# KiCad board chastity.kicad_pcb (continued)
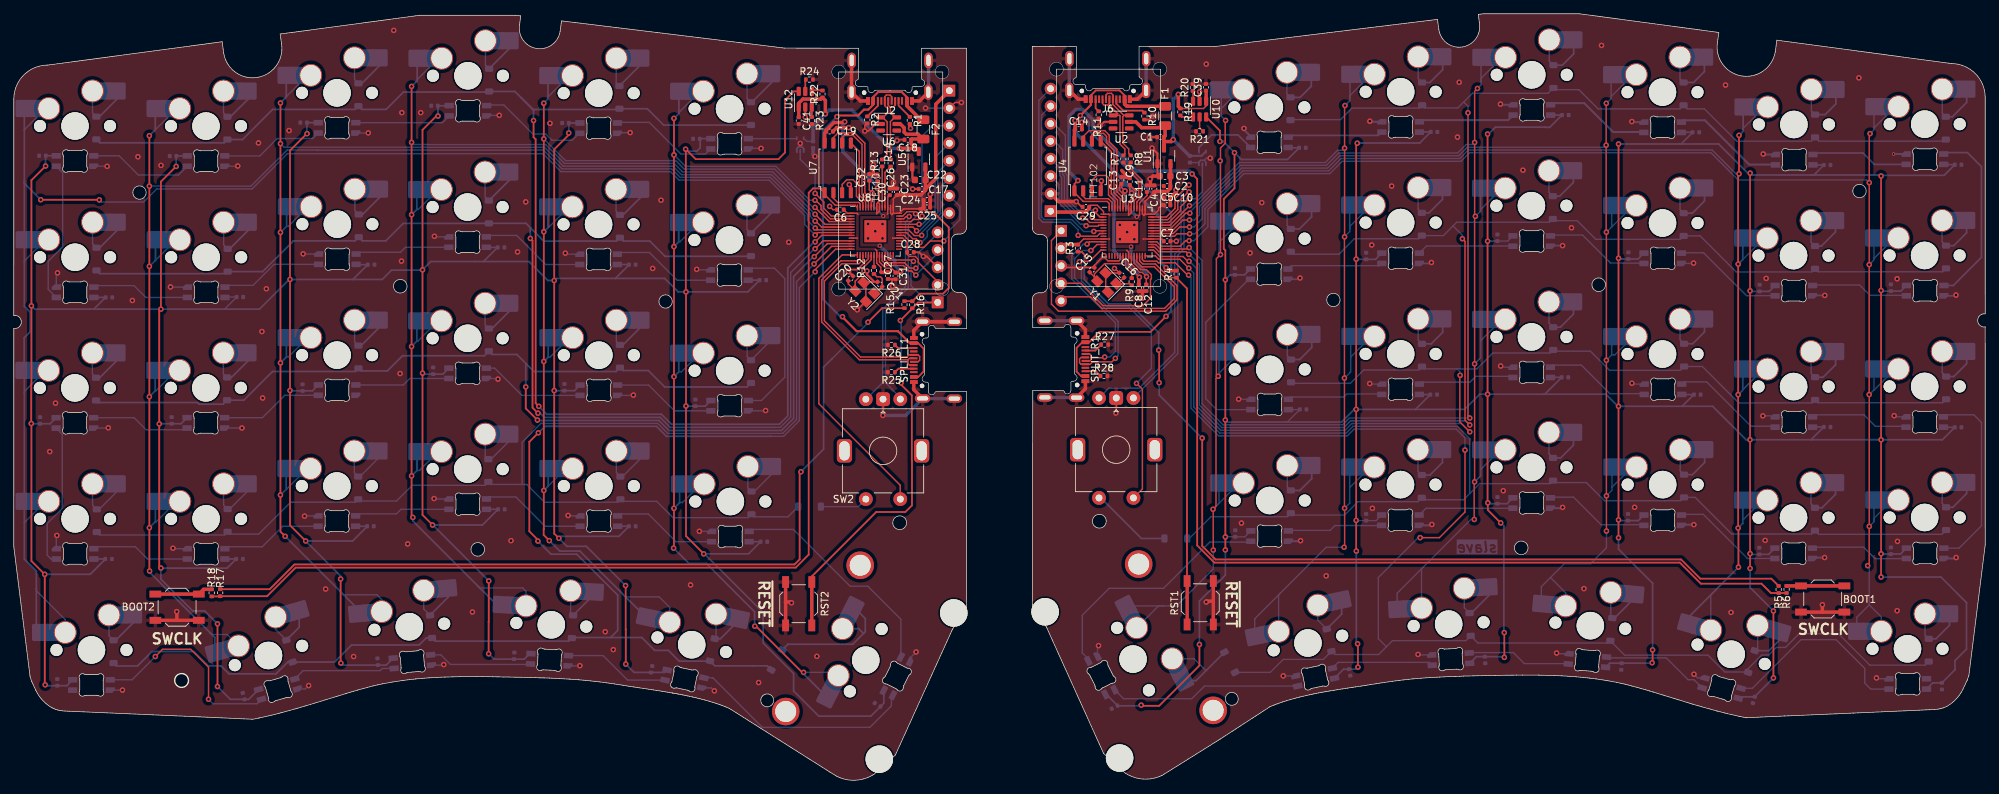
[diagram p0: board, top side]
## Routing (per net, layer and track width the routed paths; a pad name or vN(x,y) marks a point on that pad's centre or on a via; arc(x,y) is an arc through that point) (continued)
col 3_L: length 193.7
  Top w0.2: v1(116.29,82.11) 117.75,80.65 U8.5
  Top w0.25: v1(57.92,38.13) 57.73,38.32 v1(57.73,44.15) v1(57.73,62.93) v1(57.73,82.05) v1(57.73,92.54) v1(57.73,100.66)
  Bottom w0.2: MX45.1 61.59,66.66 58.63,63.7 58.5,63.7 ; MX33.1 61.63,104.74 58.55,101.66 58.55,101.65 ; v1(116.29,82.11) 110.14,88.26 97.04,88.26 95.81,89.49 79.91,89.49 77.18,92.22 59.98,92.22 59.96,92.24 58.03,92.24 v1(57.73,92.54) ; MX39.1 61.59,85.69 58.71,82.82 58.5,82.82 ; 58.51,44.94 58.86,44.94 61.6,47.68 MX51.1 ; 67.42,28.11 67.62,27.9 73.86,27.9 74.33,27.43 MX57.1
  Bottom w0.25: 70.05,25.48 57.92,37.61 v1(57.92,38.13) ; v1(57.73,62.93) 58.5,63.7 MX45.1 ; v1(57.73,82.05) 58.5,82.82 MX39.1 ; v1(57.73,100.66) 58.55,101.48 MX33.1 ; v1(57.73,44.15) 58.51,44.94 MX51.1
col 4: length 180.4
  Top w0.2: 211.99,60.4 211.99,81.69 v1(212.11,81.81) 212,81.92 v1(212,92.53) 212,99.95 v1(212.41,100.36) ; v1(211.99,60.41) v1(211.99,43.29) 211.94,43.23 211.94,37.85 v1(211.95,37.84) ; v1(170.61,81.27) 169.66,81.27 168.11,79.72 U3.36
  Bottom w0.2: v1(211.99,43.29) 212.89,44.18 212.89,45.1 ; 212.93,101.45 212.93,100.88 v1(212.41,100.36) ; 212.93,101.45 MX4.1 ; 212.93,101.45 212.93,101.82 215.99,104.88 MX4.1 ; v1(212.11,81.81) 212.88,82.58 212.88,82.85 ; MX22.1 215.72,47.93 212.89,45.1 ; v1(211.95,37.84) 211.45,37.84 204.52,30.9 ; 212.89,63.7 212.89,63.78 215.98,66.86 MX16.1 ; 212.89,63.7 212.89,61.3 v1(211.99,60.41) ; 212.89,63.7 MX16.1 ; MX10.1 215.97,85.89 212.93,82.85 212.88,82.85 ; 212.89,45.1 MX22.1 ; MX28.1 200.75,27.13 204.52,30.9 ; 204.52,30.9 204.29,30.68 MX28.1 ; v1(212,92.53) 211.7,92.23 210.76,92.23 209.52,91 192.28,91 190.49,89.21 178.02,89.21 172.06,83.25 172.06,82.02 171.32,81.27 v1(170.61,81.27) ; 212.88,82.85 MX10.1
col 4_L: length 210
  Top w0.2: U8.6 117.22,80.25 116.37,81.11 v1(116.3,81.11)
  Top w0.25: v1(39.39,35.39) 38.7,36.07 v1(38.7,41.38) v1(38.7,60.55) v1(38.7,79.47) v1(38.7,92.36) v1(38.7,98.26)
  Bottom w0.2: 47.42,27.36 47.87,26.9 52.71,26.9 53.38,26.23 MX58.1 ; v1(116.3,81.11) 116.3,81.11 115.59,81.82 115.59,82.24 114.39,83.44 114.39,83.44 109.97,87.86 96.87,87.86 95.64,89.09 79.74,89.09 77.01,91.82 59.81,91.82 59.8,91.84 39.22,91.84 v1(38.7,92.36) ; 39.52,42.21 39.56,42.21 42.59,45.23 MX52.1 ; 43.1,102.26 42.63,102.26 39.62,99.25 39.55,99.25 ; 43.15,83.21 42.68,83.21 39.84,80.37 39.6,80.37 ; 39.56,61.41 39.84,61.41 42.65,64.21 MX46.1
  Bottom w0.25: v1(38.7,79.47) 39.6,80.37 39.6,83.21 ; v1(38.7,60.55) 39.56,61.41 MX46.1 ; MX52.1 39.52,42.21 v1(38.7,41.38) ; 49.85,24.93 v1(39.39,35.39) ; v1(38.7,98.26) 39.55,99.1 39.55,102.26
col 5: length 164.8
  Top w0.2: v1(193.06,33.8) 193.13,33.88 193.13,39.45 v1(193.13,39.46) 193.11,39.48 v1(193.11,58.35) 193.11,78.82 v1(193.13,78.84) v1(193.13,91.69) 193.13,97.83 v1(193.19,97.89) ; v1(170.66,82.27) 170.09,82.27 167.94,80.12 U3.37
  Bottom w0.2: 193.89,80.05 193.89,83.32 ; 193.89,80.05 193.89,80.34 196.99,83.44 MX11.1 ; 193.89,80.05 193.89,79.6 v1(193.13,78.84) ; 193.91,99 MX5.1 ; 193.91,99 193.91,99.33 197,102.42 MX5.1 ; 193.91,99 193.91,98.61 v1(193.19,97.89) ; MX23.1 196.86,45.43 193.88,42.45 ; v1(193.06,33.8) 190.46,33.8 183.81,27.15 ; 183.81,27.15 183.56,26.9 MX29.1 ; 183.81,27.15 180.08,23.42 MX29.1 ; 193.88,42.45 193.88,40.22 v1(193.13,39.46) ; 193.88,42.45 MX23.1 ; MX17.1 196.99,64.39 194.01,61.41 194.01,61.25 ; 194.01,64.29 194.01,61.25 ; 194.01,61.25 194.01,59.25 v1(193.11,58.35) ; v1(193.13,91.69) 192.83,91.4 192.11,91.4 190.32,89.61 177.85,89.61 170.66,82.42 v1(170.66,82.27)
col 5_L: length 229.2
  Top w0.2: U8.7 116.57,79.85 v1(116.32,80.11)
  Top w0.25: v1(19.71,30.35) 19.68,30.38 19.68,36.63 v1(19.68,36.63) v1(19.68,55.64) v1(19.68,74.55) v1(19.68,86.19) v1(19.68,93.51)
  Bottom w0.2: 20.51,56.47 20.6,56.47 23.6,59.47 24.06,59.47 ; MX35.1 23.62,97.44 20.55,94.37 20.54,94.37 ; 20.56,75.43 23.54,78.41 MX41.1 ; v1(116.32,80.11) 116.31,80.11 115.19,81.22 115.19,82.08 114.23,83.04 114.22,83.04 109.8,87.46 96.7,87.46 95.47,88.69 79.58,88.69 76.85,91.42 44.08,91.42 44.06,91.44 39.67,91.44 34.42,86.19 v1(19.68,86.19) ; MX59.1 30.94,21.15 28.74,21.15 28.52,21.37 ; 20.54,37.5 20.67,37.5 23.63,40.47 24.09,40.47
  Bottom w0.25: 20.54,40.47 20.54,37.5 v1(19.68,36.63) ; v1(19.68,93.51) 20.54,94.37 MX35.1 ; v1(19.68,74.55) 20.56,75.43 MX41.1 ; v1(19.71,30.35) 19.71,30.18 29.19,20.7 MX59.1 ; v1(19.68,55.64) 20.51,56.47 20.51,59.47
col 6: length 137.8
  Top w0.2: v1(175.86,95.73) 175.81,95.68 175.81,92.41 175.12,91.72 v1(175.12,76.26) 174.52,75.66 174.52,58.89 v1(174.79,58.62) 174.46,58.29 174.46,39.74 v1(174.04,39.31) 174.07,39.28 v1(174.07,33.4) ; U3.38 167.78,80.52 169.72,82.46 169.72,82.46 v1(170.62,83.36)
  Bottom w0.2: v1(175.07,89.86) 175.07,87.39 171.04,83.36 v1(170.62,83.36) ; 175.24,97.45 175.24,99.78 ; 175.24,97.45 175.24,96.35 v1(175.86,95.73) ; 175.24,97.45 175.24,97.46 177.94,100.16 MX6.1 ; 166.86,25.29 166.12,25.29 MX30.1 ; 166.86,25.29 168.71,25.29 174.07,30.66 v1(174.07,33.4) ; 166.86,25.29 MX30.1 ; MX24.1 177.85,43.12 174.62,39.89 ; MX18.1 178,62.14 174.91,59.06 174.91,59 ; 174.62,39.89 174.91,40.19 174.91,43.12 ; 174.62,39.89 v1(174.04,39.31) ; MX12.1 177.98,81.11 174.89,78.03 174.89,78 ; 174.91,62.14 174.91,58.74 v1(174.79,58.62) ; 174.89,78 MX12.1 ; 174.89,78 174.89,76.49 v1(175.12,76.26)
col 6_L: length 234.8
  Top w0.2: U8.8 116.64,79.45 v1(116.29,79.11)
  Top w0.25: v1(3.91,84.22) 12.39,84.22 v1(12.41,84.19)
  Bottom w0.2: 1.54,94.25 1.54,94.38 4.61,97.45 MX36.1 ; 1.54,75.1 1.54,75.33 4.62,78.41 MX42.1 ; v1(12.41,84.19) 12.72,83.88 18.84,83.88 20.75,85.79 34.59,85.79 39.69,90.89 76.81,90.89 79.41,88.29 95.31,88.29 96.54,87.06 109.64,87.06 114.79,81.91 114.79,80.61 v1(116.29,79.11) ; 1.53,56.2 1.53,56.41 4.59,59.46 MX48.1 ; 1.53,37.35 1.53,37.38 4.62,40.47 5.08,40.47 ; 3.27,27.8 3.27,27.49 7.46,23.3 MX60.1
  Bottom w0.25: v1(3.91,84.22) 1.54,86.59 1.54,86.89 ; MX48.1 1.5,64.19 2.37,65.06 2.37,67.93 1.54,68.77 MX42.1 1.54,86.89 ; 1.54,86.89 1.54,97.44 ; 1.53,59.43 1.53,32.08 3.27,30.34 3.27,22.09
cs: length 16
  Top w0.2: U3.3 156.87,81.32 v1(156.51,81.68)
  Bottom w0.2: 151,92.71 152.21,91.5 152.21,87.88 152.47,87.62 152.47,84.12 154.29,82.3 155.89,82.3 v1(156.51,81.68)
cs_L: length 15.2
  Top w0.2: v1(131.01,79.72) 130.48,80.25 U8.37
  Bottom w0.2: J3.5 134.1,88.21 134.1,82.36 131.46,79.72 v1(131.01,79.72)
CURR_LIM: length 2.3
  Top w0.2: U10.5 172.09,94.65 R21.1
CURR_LIM_L: length 1.8
  Top w0.25: U12.5 114.86,101.56 R24.1
D+: length 11.9
  Top w0.2: J6.B6 158,98.18 158.23,97.95 158.78,97.95 ; 159.97,96.46 160.2,96.7 158.94,97.95 158.78,97.95 ; R7.2 161.25,90.89 161.25,91.57 160.54,92.28 160.54,96.38 160.45,96.46 U2.1 ; J6.A6 159,98.18 158.78,97.95
D-: length 13.3
  Top w0.2: J6.A7 158.5,99.42 158.73,99.65 159.28,99.65 159.5,99.42 J6.B7 159.5,98.04 161.08,96.46 U2.6 161.15,96.46 160.94,96.25 160.94,92.44 161.79,91.59 161.79,90.97 R8.2
D_Split_L+: length 31
  Top w0.2: SPLIT_L1.A6 131.23,60.71 131.46,60.94 131.46,61.49 131.23,61.71 SPLIT_L1.B6 129.92,61.71 129.61,61.4 122.88,61.4 117.64,66.65 117.64,72.41 120.16,74.93 122.65,74.93 123.23,75.51 U8.17
D_Split_L-: length 30.7
  Top w0.2: 129.76,60.99 129.98,61.21 SPLIT_L1.A7 ; 129.76,60.99 129.76,60.44 129.98,60.21 SPLIT_L1.B7 ; 129.76,60.99 129.74,61 122.72,61 117.24,66.48 117.24,72.58 120.01,75.35 122.5,75.35 122.83,75.68 U8.16
D_Split_R+: length 29.4
  Top w0.2: v1(159.86,61.2) 159.36,60.7 156.56,60.7 156.2,60.34 SPLIT_R1.B6 154.89,60.34 154.66,60.57 154.66,61.12 154.89,61.34 SPLIT_R1.A6 ; U3.12 157.21,77.72 156.34,76.85 v1(156.32,76.85)
  Bottom w0.2: v1(159.86,61.2) 160.26,61.6 160.26,66.55 153.94,72.87 153.94,75.64 155.15,76.85 v1(156.32,76.85)
D_Split_R-: length 28.3
  Top w0.2: 156.36,61.3 156.36,61.62 156.14,61.84 SPLIT_R1.B7 ; 156.36,61.3 156.36,61.07 156.14,60.84 SPLIT_R1.A7 ; 156.36,61.3 158.21,61.3 v1(158.31,61.4) ; U3.11 156.1,78.12 v1(155.76,77.78)
  Bottom w0.2: v1(158.31,61.4) 159.06,61.4 159.86,62.2 159.86,66.39 153.54,72.71 153.54,76.09 155.24,77.78 v1(155.76,77.78)
dc: length 18.3
  Top w0.2: v1(156.97,82.7) 156.97,82.36 157.4,81.93 157.4,81.93 157.61,81.72 U3.2
  Bottom w0.2: v1(156.97,82.7) 154.45,82.7 152.87,84.29 152.87,87.79 152.61,88.04 152.61,93.57 150.93,95.25
dc_L: length 13.6
  Top w0.2: v1(131.75,79.05) 131.72,79.02 130.69,79.02 129.85,79.85 U8.36
  Bottom w0.2: J3.6 134.5,86.07 134.5,82.19 131.75,79.44 v1(131.75,79.05)
DIN: length 12.3
  Top w0.2: v1(155.62,80.44) 155.69,80.38 157.32,80.38 157.46,80.52 U3.5
  Bottom w0.2: J1.3 151.67,86.43 151.67,83.79 154.79,80.67 155.4,80.67 v1(155.62,80.44)
DIN_L: length 19.9
  Top w0.2: U8.39 130.22,81.05 130.53,81.35 131.33,81.35 v1(131.81,81.84)
  Bottom w0.2: J3.3 133.33,94.96 131.82,93.45 131.82,82.59 131.81,82.59 v1(131.81,81.84)
DL+: length 11.9
  Top w0.2: J2.A6 127.4,99.17 127.18,99.4 126.63,99.4 126.4,99.17 J2.B6 126.4,97.86 126.81,97.45 126.81,96.8 126.17,96.16 ; R13.2 126.75,90.8 126.75,95.51 126.1,96.16
DL-: length 10.6
  Top w0.2: 127.21,90.09 127.21,95.55 127.83,96.16 ; J2.B7 127.9,97.93 127.68,97.7 127.13,97.7 ; J2.A7 126.9,97.93 127.13,97.7 ; 127.13,97.7 127.21,97.62 127.21,96.85 127.91,96.16
LED_Data_3V3: length 13.6
  Top w0.2: v1(170.56,84.36) 170.49,84.36 169.32,83.19 169.32,82.62 167.61,80.92 U3.39
  Bottom w0.2: U9.2 172.5,85.38 171.47,84.35 170.57,84.35 v1(170.56,84.36)
LED_Data_3V3_L: length 14.2
  Top w0.2: U8.2 118.67,81.85 117.55,82.97 117.55,83.88 v1(116.29,85.14)
  Bottom w0.2: v1(116.29,85.14) 116.29,87.92 114.13,90.08 U11.2
LED_Data_5V: length 9.5
  Bottom w0.25: 179.42,91.86 177.66,93.62 173.81,93.62 172,91.8 U9.4
LED_Data_5V_L: length 7
  Bottom w0.2: U11.4 113.58,93.08 LED1.3
LED_Pow_5V: length 800.8
  Top w0.25: v1(216.31,17.83) 216.31,19.8 216.3,19.81 v1(216.3,21.43) ; v1(213.88,93.74) v1(213.88,78.2) v1(213.88,56) 213.88,40.29 v1(213.91,40.25) 213.91,39.21 v1(215.78,37.34) ; v1(237.83,18.91) 237.83,17.12 v1(237.76,17.05) ; v1(194.97,92.42) 194.81,92.26 v1(194.81,75.6) v1(194.81,53.8) v1(194.81,37.7) 194.81,33.28 v1(194.83,33.25) ; v1(195.06,16.4) 195.06,19.75 v1(195.01,19.8) ; v1(255.36,14.85) v1(255.36,24.55) ; v1(175.04,92.68) 175.04,94.22 U10.6 ; v1(163.61,10.9) 163.71,10.8 166.21,10.8 172.06,16.65 v1(172.06,19.7) ; v1(270.98,29.48) 270.99,29.48 v1(270.99,49.4) v1(270.99,71.05) v1(270.99,87.66) ; v1(177.15,91.05) 177.15,85.9 175.6,84.34 175.6,77.11 175.82,76.89 v1(175.82,72.6) v1(175.82,52.27) 175.83,52.26 v1(175.83,33.42) ; v1(251.98,30.74) v1(251.98,32.88) 251.98,49.39 v1(251.96,49.4) 251.98,49.42 v1(251.98,71) 251.98,88.07 v1(251.99,88.08) ; v1(232.88,35.19) v1(232.88,37.77) v1(232.88,54.25) v1(232.88,75.72) v1(232.88,92.31)
  Bottom w0.2: v1(175.83,35.3) 175.85,35.32 C149.2 178.66,35.32 LED49.1 ; LED43.1 186.6,53.77 C143.2 186.63,53.79 184.81,51.97 ; C139.2 216.8,78.22 LED39.1 ; 194.84,37.67 C150.2 197.7,37.67 LED50.1
  Bottom w0.25: 242.11,54.25 246.54,54.25 251.39,49.4 v1(251.96,49.4) 260.81,49.4 ; 242.11,54.25 243.81,55.95 C146.2 242.09,55.95 LED46.1 ; 242.11,54.25 v1(232.88,54.25) 232.79,54.25 231.04,56 221.96,56 ; LED37.1 178.61,73.32 C137.2 176.54,73.32 v1(175.82,72.6) ; LED36.1 280.12,89.3 C136.2 280.13,87.75 271.08,87.75 v1(270.99,87.66) 270.84,87.8 260.76,87.8 ; v1(251.98,71) 252.05,70.92 C141.2 254.75,70.92 LED41.1 ; v1(213.91,40.25) 214.04,40.12 C151.2 216.7,40.12 LED51.1 ; 221.96,56 v1(213.88,56) 212.74,56 210.54,53.8 203.41,53.8 ; 221.96,56 222.18,56 C145.2 223.03,58.45 LED45.1 ; 215.27,78.22 213.9,78.22 v1(213.88,78.2) ; v1(216.31,17.83) 216.21,17.93 C157.2 212.25,17.93 LED57.1 ; 203.41,53.8 v1(194.81,53.8) 194.51,53.8 192.68,51.97 176.12,51.97 v1(175.82,52.27) ; 203.41,53.8 205.56,55.95 ; LED53.1 254.66,32.77 C153.2 252.08,32.77 v1(251.98,32.88) ; v1(251.98,30.74) 251.98,27.96 255.36,24.57 v1(255.36,24.55) ; v1(213.88,93.74) 214.01,93.74 215.02,94.75 222.21,94.75 222.24,94.72 222.9,94.72 C133.2 223.03,96.5 LED33.1 ; LED42.1 273.85,70.97 C142.2 271.06,70.97 v1(270.99,71.05) ; LED56.1 192.97,16.1 193.75,16.1 C156.2 194.78,16.12 v1(195.06,16.4) ; v1(194.83,33.25) 194.83,19.98 v1(195.01,19.8) ; v1(232.88,35.19) 232.88,33.53 237.83,28.58 v1(237.83,18.91) ; LED60.1 278.48,14.13 C160.2 281.71,16.03 281.71,17.36 283.38,19.03 283.38,25.77 279.67,29.48 v1(270.98,29.48) ; v1(232.88,92.31) 241.81,92.31 ; v1(216.3,21.43) 216.24,21.49 216.24,36.88 v1(215.78,37.34) ; LED44.1 204,55.95 C144.2 ; C154.2 273.8,32.82 LED54.1 ; v1(237.76,17.05) 237.69,16.98 C158.2 231.6,16.98 LED58.1 ; v1(255.36,14.85) 252.64,12.14 C159.2 250.46,12.11 LED59.1 ; 260.81,49.4 262.66,51.25 C147.2 261.08,51.25 LED47.1 ; 260.81,49.4 v1(270.99,49.4) 279.88,49.4 C148.2 280.07,51.2 LED48.1 ; 241.81,92.31 241.97,92.31 243.63,93.97 C134.2 242.02,94 LED34.1 ; 241.81,92.31 247.41,92.31 251.64,88.08 v1(251.99,88.08) 252.26,87.8 261.23,87.8 C135.2 261.12,89.25 LED35.1 ; LED52.1 235.76,37.67 C152.2 232.98,37.67 v1(232.88,37.77) ; LED38.1 197.62,75.57 C138.2 194.84,75.57 v1(194.81,75.6) ; v1(175.04,92.68) 175.53,92.68 v1(177.15,91.05) 178.15,90.06 184.84,90.06 C131.2 184.98,91.75 LED31.1 ; LED40.1 235.71,75.62 C140.2 232.98,75.62 v1(232.88,75.72) ; v1(194.97,92.42) 194.99,92.44 204.02,92.44 C132.2 204.01,94.05 LED32.1 ; v1(172.06,19.7) 172.06,26 175.83,29.77 v1(175.83,33.42) ; LED55.1 158.55,12.46 C155.2 160.21,10.8 163.51,10.8 v1(163.61,10.9)
  Bottom w0.3: v1(270.99,32.85) 271.03,32.8 272.39,32.8 C154.2
LED_Pow_5V_L: length 819.7
  Top w0.25: v1(60.77,37.04) 59.32,38.49 v1(59.32,59.05) v1(59.32,74.05) 59.32,94.36 61.31,96.35 v1(61.56,96.35) ; v1(68.91,18.35) 68.91,22.96 68.93,22.98 v1(68.93,28.92) ; v1(21.35,30.79) 21.11,31.03 v1(21.11,51.7) 21.11,68.11 v1(21.35,68.35) 21.35,86.84 v1(23.56,89.05) ; v1(42.56,93.8) 42.53,93.8 40.09,91.37 v1(40.09,72.65) v1(40.09,56.54) 40.09,36.98 v1(42.36,34.72) ; v1(100.12,32.85) 97.55,35.42 v1(97.55,54.29) v1(97.55,70.85) 97.53,70.87 97.53,91.52 v1(97.49,91.55) 97.51,91.55 98.96,90.1 110.96,90.1 111.92,91.06 111.92,98.66 113.19,99.93 U12.6 ; v1(88.81,16.85) 88.81,21.86 88.8,21.87 88.8,28.23 v1(88.78,28.25) ; v1(4.56,13.85) 4.49,13.92 v1(4.49,29.88) 2.56,31.81 2.56,51.73 v1(2.53,51.75) 2.53,57.44 2.56,57.47 v1(2.56,68.83) 2.56,87.05 v1(4.61,89.1) ; v1(47.43,29.2) 47.43,17.03 v1(47.46,17) ; v1(79.1,35.1) 78.43,35.78 v1(78.43,56.53) v1(78.43,72.5) 78.43,91.52 80.54,93.63 v1(80.54,93.9) ; v1(29.56,22.7) v1(29.56,13.6)
  Bottom w0.2: LED11.1 30.7,70.1 C108.2 32.33,70.07 30.61,68.35 30.61,68.35
  Bottom w0.25: 68.16,75.25 60.52,75.25 v1(59.32,74.05) 59.27,74 54.81,74 53.46,72.65 49.21,72.65 ; 68.16,75.25 70.21,77.3 C110.2 68.6,77.3 LED9.1 ; 68.16,75.25 74.76,75.25 77.51,72.5 v1(78.43,72.5) 78.73,72.8 87.31,72.8 ; 87.31,72.8 89.28,74.77 C111.2 89.27,74.82 LED8.1 ; 87.31,72.8 94.46,72.8 96.41,70.85 v1(97.55,70.85) 106.53,70.85 C112.2 106.59,72.55 LED7.1 ; LED22.1 49.61,36.85 C121.2 51.28,36.82 49.17,34.72 v1(42.36,34.72) 47.43,29.64 v1(47.43,29.2) ; v1(4.61,89.1) 4.61,90.57 C101.2 6.14,90.6 LED6.1 ; LED20.1 87.64,36.85 C123.2 87.82,35.39 79.39,35.39 v1(79.1,35.1) 80.27,33.93 83.1,33.93 v1(88.78,28.25) ; v1(23.56,89.05) 23.56,90.52 23.61,90.57 LED5.1 ; v1(78.43,56.53) 78.44,56.52 C117.2 81.37,56.52 LED14.1 ; v1(40.09,56.54) 40.13,56.5 41.88,56.5 ; LED30.1 7.69,13.72 C125.2 4.69,13.72 v1(4.56,13.85) ; v1(29.56,13.6) 31.42,11.74 C126.2 34.09,11.74 LED29.1 ; v1(80.54,93.9) C105.2 80.54,95.35 LED2.1 ; 92.49,15.65 94.47,15.65 LED26.1 ; LED27.1 74.88,18.38 74.08,17.57 C128.2 69.69,17.57 v1(68.91,18.35) ; v1(29.56,22.7) 27.7,24.56 25.96,24.56 21.35,29.17 v1(21.35,30.79) 21.38,30.76 22.21,30.76 22.22,30.77 30.95,30.77 C120.2 30.64,32.1 LED23.1 ; LED19.1 106.73,34.6 C124.2 106.63,32.85 v1(100.12,32.85) 100.22,32.85 108.75,24.32 108.75,19.9 113.17,15.49 113.17,12.95 116.82,9.3 124.37,9.3 C130.2 126.26,11.19 LED25.1 ; LED16.1 43.35,56.5 41.94,56.5 ; v1(88.81,16.85) 90.01,15.65 92.45,15.65 ; LED12.1 11.63,70.05 C107.2 13.31,70.05 11.61,68.35 ; C127.2 52.83,16.7 47.76,16.7 v1(47.46,17) ; v1(4.49,29.88) 11.08,29.88 13.28,32.07 ; LED3.1 63.16,97.85 C104.2 61.56,97.83 v1(61.56,96.35) ; LED15.1 62.27,58.92 C116.2 59.45,58.92 v1(59.32,59.05) ; LED10.1 49.72,74.8 C109.2 51.36,74.8 49.21,72.65 ; LED1.1 99.62,93.08 99.59,93.05 ; v1(2.53,51.75) 2.56,51.72 C113.2 5.27,51.72 LED18.1 ; LED4.1 42.55,95.39 42.54,95.38 42.54,93.82 v1(42.56,93.8) ; 99.59,93.05 99.61,93.03 99.61,91.75 99.14,91.28 97.77,91.28 v1(97.49,91.55) ; 99.59,93.05 99.64,93.1 ; 52.88,16.7 54.05,16.7 LED28.1 ; v1(68.93,28.92) 60.81,37.04 v1(60.77,37.04) 68.01,37.04 C122.2 68.6,39.3 LED21.1 ; v1(2.56,68.83) 3.03,68.35 21.34,68.35 v1(21.35,68.35) 35.65,68.35 39.96,72.65 v1(40.09,72.65) 49.21,72.65 ; LED13.1 100.34,54.27 C118.2 97.57,54.27 v1(97.55,54.29) ; C119.2 11.63,32.1 LED24.1 ; v1(21.11,51.7) 21.13,51.72 C114.2 24.27,51.72 LED17.1
Q_CLK: length 14.6
  Top w0.2: U3.52 160.58,84.34 159.67,85.24 159.67,91.37 158.58,92.46 158.58,93.41 158.15,93.85 156.7,93.85 156.46,93.61 U4.6
Q_CLK_L: length 13.9
  Top w0.2: U7.6 120.21,93.24 120.52,93.54 121.81,93.54 123.1,92.26 123.1,85.04 124.03,84.12 U8.52
Q_IO0: length 10.8
  Top w0.2: U3.53 160.18,84.17 159.27,85.08 159.27,91.2 157.75,92.72
Q_IO0_L: length 10.2
  Top w0.2: U8.53 123.63,83.95 122.7,84.88 122.7,91.22 U7.5
Q_IO1: length 6.2
  Top w0.2: U4.2 155.19,84.71 155.53,84.37 158.84,84.37 159.38,83.84 U3.55
Q_IO1_L: length 5.6
  Top w0.2: U8.55 122.83,83.62 122.62,83.83 119.56,83.83 118.94,84.44 U7.2
Q_IO2: length 9.2
  Top w0.2: U4.3 156.46,87.05 157.16,87.74 158.51,87.74 158.87,87.38 158.87,84.91 159.78,84 U3.54
Q_IO2_L: length 7.7
  Top w0.2: U7.3 120.21,86.44 120.89,87.12 121.79,87.12 122.29,86.62 122.29,84.72 123.23,83.79 U8.54
Q_IO3: length 15.9
  Top w0.2: 155.19,93.39 156.05,94.25 158.31,94.25 158.98,93.58 158.98,92.63 160.07,91.54 160.07,85.41 160.98,84.5 U3.51
Q_IO3_L: length 16
  Top w0.2: U7.7 118.94,93.24 119.65,93.94 121.98,93.94 123.5,92.42 123.5,85.21 124.43,84.28 U8.51
Q_SEL: length 183.4
  Top w0.2: 153.92,85.24 155.19,83.97 158.68,83.97 158.98,83.67 U3.56
  Top w0.25: v1(154.43,87) 153.92,86.5 U4.1 ; v1(171.01,87.96) 171.74,87.23 171.74,34.07 174.23,31.58 241.77,31.58 244.83,28.52 253.63,28.52 255,27.16 R5.1 ; R6.1 256.13,27.17
  Bottom w0.5: v1(154.43,87) 153.16,88.27 153.16,96.35 154.13,97.32 155.1,97.32 156.63,95.78 156.63,94.62 162.87,88.37 170.6,88.37 v1(171.01,87.96)
Q_SEL_L: length 150
  Top w0.2: U8.56 122.09,83.43 119.21,83.43 117.67,84.97
  Top w0.25: 29.96,26.7 36.75,26.7 40.91,30.85 113.48,30.85 115.36,32.74 115.36,85.23 115.99,85.86 117.05,85.86 U7.1 ; R18.1 29.94,26.68
RESET: length 92.1
  Top w0.2: R4.1 167.98,72.91 167.83,72.77 ; U3.26 163.38,75.37 163.84,74.91 165.66,74.91 168.81,71.75 168.81,69.7 167.17,68.05 151.61,68.05 150.59,69.08 150.59,78.31 J4.1
  Top w0.25: 168.74,72.85 170.25,71.34 170.25,28.92
  Top w0.5: RST1.2 RST1.2
RESET_L: length 72.8
  Top w0.2: U8.26 126.83,75.68 127.03,75.48 130.36,75.48 v1(130.56,75.28)
  Top w0.25: R16.1 131.22,69.3 134.05,69.3 ; v1(128.76,57.65) 128.76,57.4 130.32,55.84 130.32,46.28 130.34,46.26 130.34,39.87 129.39,38.92 125.16,38.92 115.83,29.59 115.83,28.78 ; v1(128.66,66.7) 130.39,68.43
  Top w0.5: RST2.2 RST2.2
  Bottom w0.2: J8.1 132.62,69.33 130.2,71.74 130.2,74.92 v1(130.56,75.28)
  Bottom w0.25: v1(128.76,57.65) 128.76,66.6 v1(128.66,66.7)
rot A: length 41.1
  Top w0.2: v1(170.56,85.36) 170.47,85.36 168.92,83.81 168.92,82.79 167.45,81.32 U3.40
  Bottom w0.2: v1(170.56,85.36) 170.47,85.36 169.81,84.7 169.81,77.07 168.92,76.18 168.92,61.9 SW1.A
rot A_L: length 32.2
  Top w0.2: U8.41 129,81.85 129.63,82.49 130.57,82.49 v1(130.87,82.19)
  Bottom w0.2: v1(130.87,82.19) 130.87,81.71 129.8,80.64 129.8,71.45 126.5,68.14 126.5,57.67 128.65,55.52
rot B: length 47.2
  Top w0.2: U3.41 167.28,81.72 168.52,82.96 168.52,84.4 170.48,86.36 v1(170.56,86.36)
  Bottom w0.2: v1(170.56,86.36) 170.52,86.36 169.41,85.25 169.41,77.24 168.48,76.31 168.48,62.06 163.3,56.88 158.91,56.88 SW1.B
rot B_L: length 30.7
  Top w0.2: v1(129.94,81.79) 129.89,81.74 129.45,81.74 129.16,81.45 U8.40
  Bottom w0.2: 123.69,55.29 126.1,57.69 126.1,68.31 129.4,71.62 129.4,81.01 129.94,81.54 v1(129.94,81.79)
row 0: length 216.8
  Top w0.2: v1(211.3,52.55) 211.03,52.81 v1(211.03,96.83) ; v1(170.57,77.28) 170.38,77.08 166.35,77.08 165.71,77.72 U3.31
  Bottom w0.2: 210.41,98.4 211.03,97.78 v1(211.03,96.83) ; 210.41,98.4 209.55,97.54 204.77,97.54 D5.1 203.96,97.51 194.21,97.51 192.54,95.84 185.35,95.84 ; 210.41,98.4 211.67,99.66 222.65,99.66 D4.1 ; 280.14,92.71 261.96,92.71 D2.1 260.85,92.71 250.04,92.71 245.35,97.39 242.85,97.39 D3.1 241.78,97.39 229.93,97.39 227.14,100.19 223.68,100.19 ; v1(211.3,52.55) 193.82,52.55 192.85,51.57 175.5,51.57 172.45,54.62 172.45,75.41 170.57,77.28 v1(170.57,77.28)
row 0_L: length 216.7
  Top w0.2: v1(116.3,78.11) 117.25,79.05 U8.9
  Top w0.25: v1(75.43,95.71) 75.43,93.29 75.73,92.99 75.73,54.7 v1(76.19,54.24)
  Bottom w0.25: v1(116.3,78.11) 116.12,78.11 112.32,74.31 112.32,52.86 111.11,51.65 95.44,51.65 93.99,53.09 77.34,53.09 v1(76.19,54.24) ; 73.65,99 72.73,99.92 D35.1 ; 73.65,99 75.43,97.22 v1(75.43,95.71) ; 73.65,99 75.33,97.32 87.78,97.32 ; 68.89,99.84 56.55,99.84 54.04,97.32 50.48,97.32 D36.1 49.54,97.32 37.57,97.32 33.2,92.95 D37.1 30.52,92.48 12.48,92.48 D38.1 ; 106.96,95.05 94.31,95.05 91.93,97.42 D34.1